# Altium PCB ESP-12F_WLED_IOT_LIPO_PCB_Version_2.PcbDoc (part 1 of 2)
Units mm, origin at the board's own origin, x right, y up, seen from the top; angles counter-clockwise.
Board outline 90 x 44 mm, 2 copper layers (Top Layer, Bottom Layer), stack 0.97 mm thick; 111 components, 79 nets, 330 pads, 196 vias.
Unrouted connection lines stored in the file: 43.
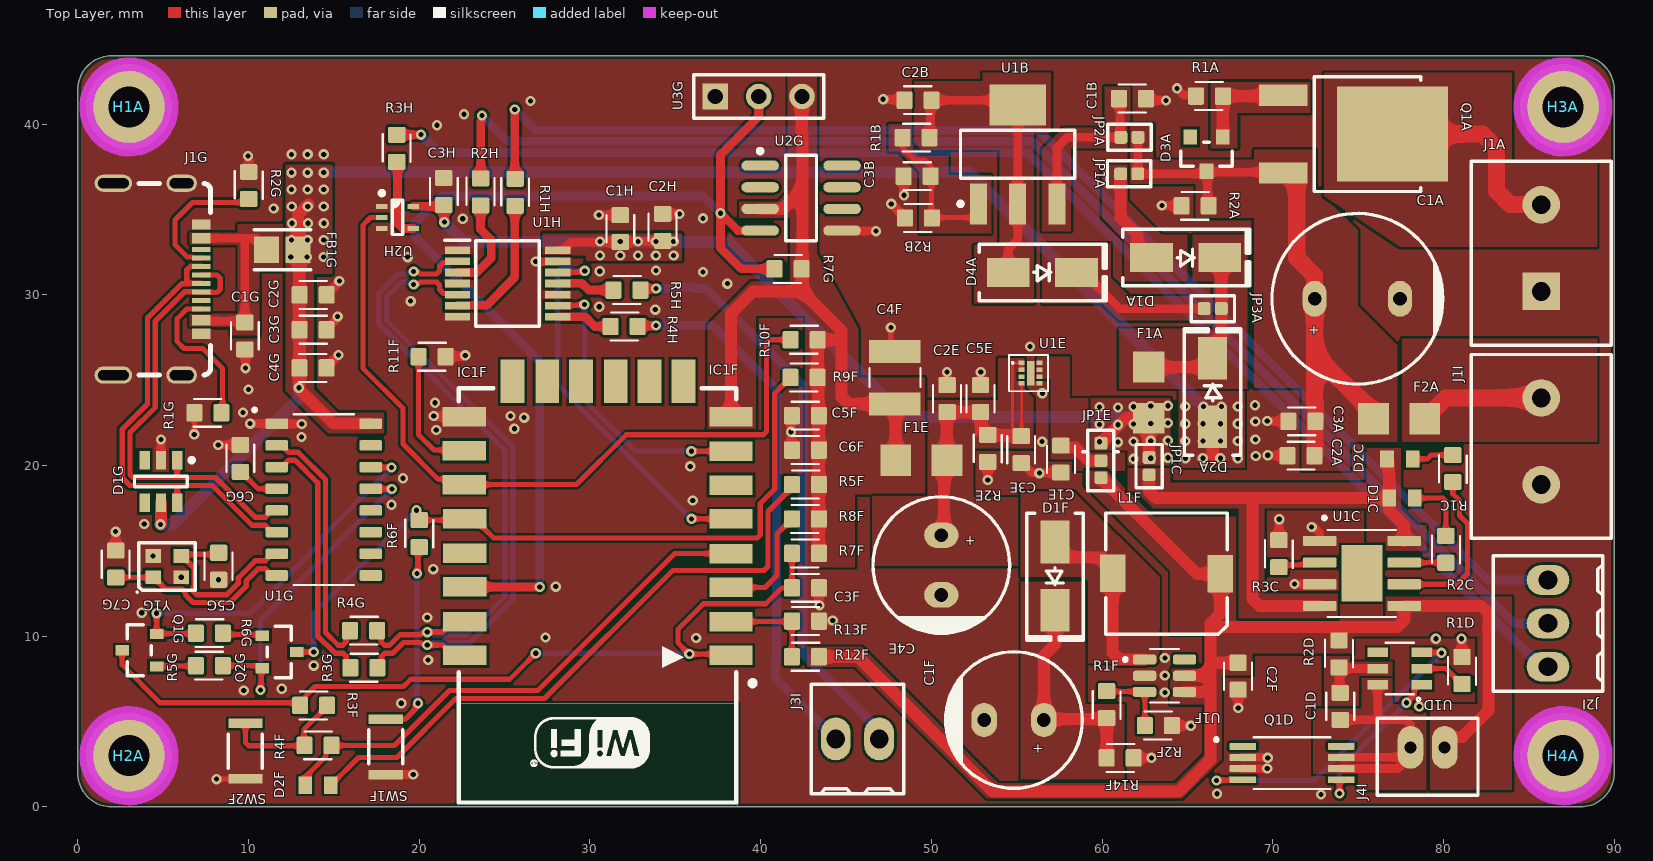
[diagram p0: Top Layer view]
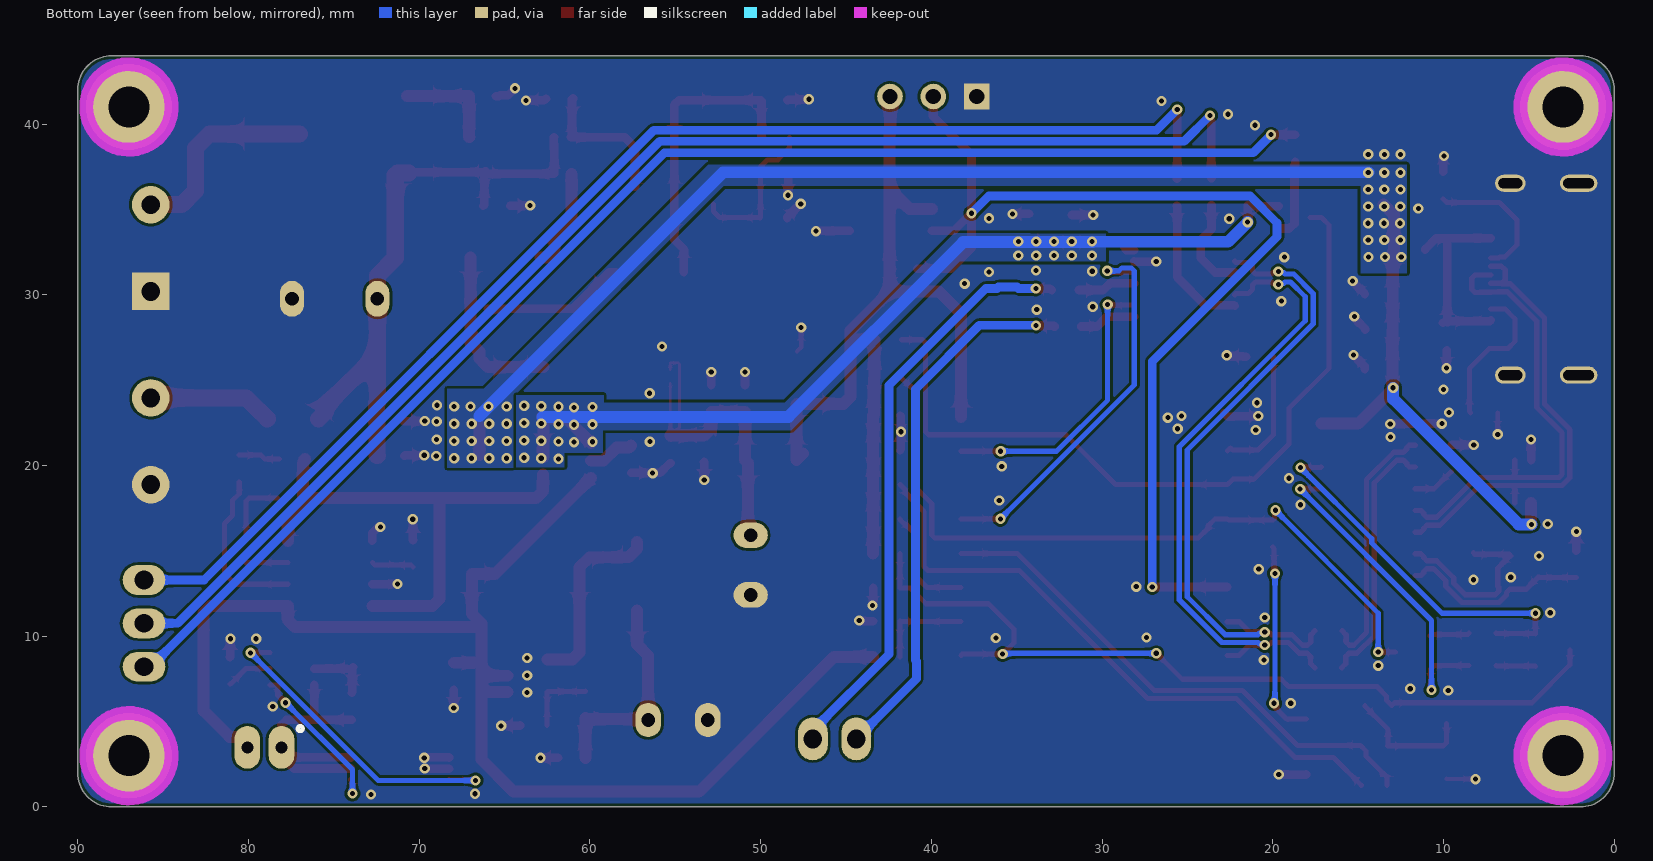
[diagram p1: Bottom Layer view, seen from below]
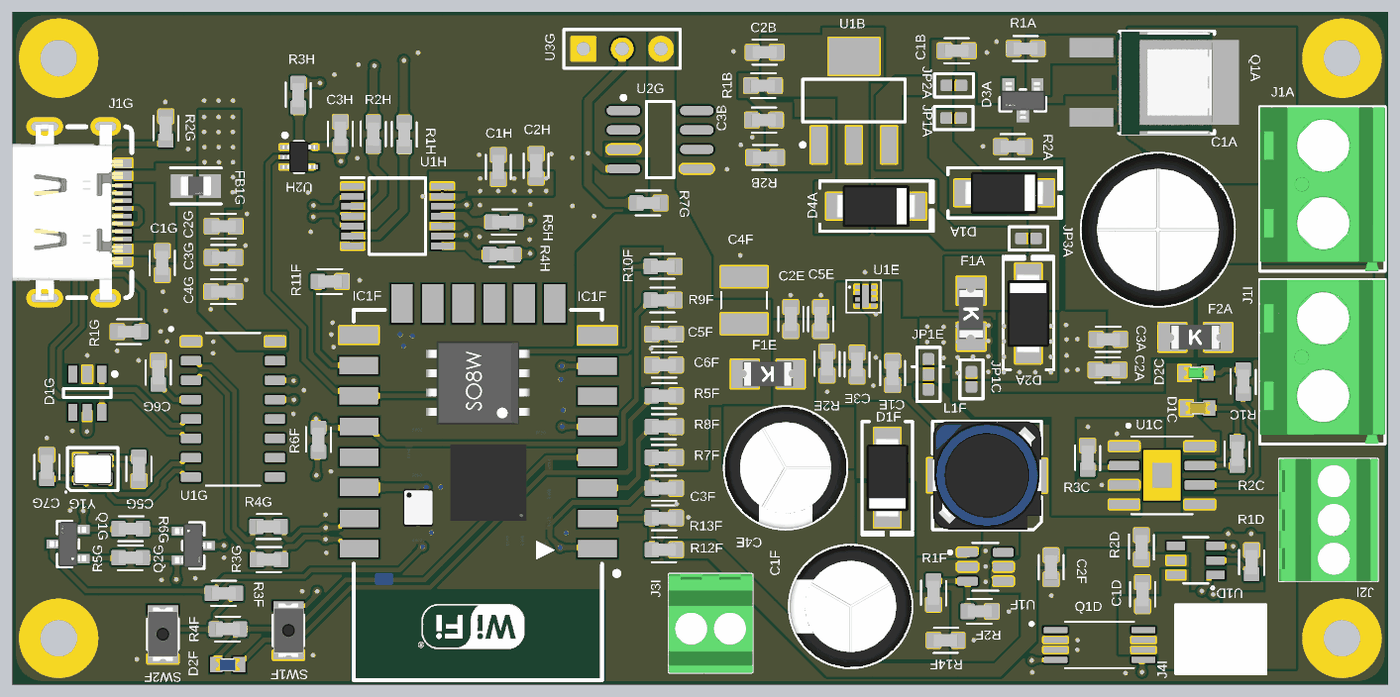
[diagram p3: 3D render of the assembled board from above, using the file's embedded part models]

## Layer stack, top to bottom
Top Solder: solder mask 0.0127, Solder Resist, Dk 3.8
Top Layer: signal copper 0.035
Dielectric: core 0.9, FR-4, Dk 4.5
Bottom Layer: signal copper 0.035
Bottom Solder: solder mask 0.0127, Solder Resist, Dk 3.8

## Board outline
0,2 0,42 cw(c2,42) 2,44 88,44 cw(c88,42) 90,42 90,2 cw(c88,2) 88,0 2,0 cw(c2,2)

## Design rules (kind name [scope] priority, off if disabled: settings)
BoardOutlineClearance [All] p1: gap=0.2 ignorepadtopadclearanceinfootprint=FALSE
Clearance [All] p1: gap=0.15 ignorepadtopadclearanceinfootprint=TRUE except(0.254: Arc-Hole Track-Hole SMDPad-Hole THPad-Hole Via-Hole Fill-Hole Poly-Hole Region-Hole Text-Hole)
ComponentClearance [All] p1: gap=0.127 collisioncheckmode=3 verticalgap=0.127 showdistances=TRUE
DiffPairsRouting [InDifferentialPairClass('All Differential Pairs')] p1: maxlimit=0.15 minlimit=0.15 mostfreqgap=0.15 toplayer_minwidth=0.312 toplayer_maxwidth=0.312 toplayer_prefwidth=0.312 bottomlayer_minwidth=0.312 bottomlayer_maxwidth=0.312 bottomlayer_prefwidth=0.312 impedanceprofiledriven=TRUE impedanceprofileid={3EA1BE5C-D736-4E84-AD8F-9C44774C30EF} impedanceprofilevalue=90.000000 maxuncoupledlength=12.7
Height [All] p1: minheight=0 maxheight=1816.048 prefheight=12.7
HoleSize [All] p1: absolutevalues=TRUE maxlimit=6.3 minlimit=0.3 maxpercent=80.000 minpercent=20.000
HoleToHoleClearance [All] p1: gap=0.25 allowstackedmicrovias=FALSE
MinimumAnnularRing [All] p1: minimumring=0.1
MinimumSolderMaskSliver [All] p1: minsoldermaskwidth=0.2
PlaneClearance [All] p1: clearance=0.254
PlaneConnect PlaneConnectPowerPads [InPadClass('PowerPads')] p1: planeconnectstyle=Direct reliefexpansion=0.508 reliefentries=4 reliefconductorwidth=0.254 reliefairgap=0.254
PlaneConnect [All] p2: planeconnectstyle=Direct reliefexpansion=0.3 reliefentries=4 reliefconductorwidth=0.127 reliefairgap=0.127
PolygonConnect [All] p1: connectstyle=Direct reliefconductorwidth=0.254 reliefentries=4 polygonreliefangle="90 Angle" airgapwidth=0.254
PolygonConnect PolygonConnectPowerPads [All vs (InPadClass('PowerPads'))] p2: connectstyle=Direct reliefconductorwidth=0.254 reliefentries=4 polygonreliefangle="90 Angle" airgapwidth=0.254
PolygonConnect PolygonConnect_Power [InNetClass('HighPower') vs InNetClass('Power')] p3 off: connectstyle=Direct reliefconductorwidth=0.203 reliefentries=4 polygonreliefangle="90 Angle" airgapwidth=0.203
PolygonConnect PolygonConnect_GND [InNetClass('Power') vs InNet('GND')] p4 off: connectstyle=Direct reliefconductorwidth=0.203 reliefentries=4 polygonreliefangle="90 Angle" airgapwidth=0.203
RoomDefinition 1_Power [InComponentClass('1_Power')] p1: confinementstyle=ConfineIn formatcopy=TRUE lockcomponents=FALSE outline 45.075,-0.475 91.55,-0.475 91.55,46.05 45.075,46.05
RoomDefinition 8_LevelShifter [InComponentClass('8_LevelShifter')] p2: confinementstyle=ConfineIn formatcopy=TRUE lockcomponents=FALSE outline 8.45,24.65 36.025,24.65 36.025,47.95 8.45,47.95
RoomDefinition 5_BATT+3V3 [InComponentClass('5_BATT+3V3')] p3: confinementstyle=ConfineIn formatcopy=TRUE lockcomponents=FALSE outline 44.475,9.45 64.25,9.45 64.25,35.05 44.475,35.05
RoomDefinition 6_BATT+5V [InComponentClass('6_BATT+5V')] p4: confinementstyle=ConfineIn formatcopy=TRUE lockcomponents=FALSE outline 84.05,18.3 50.525,18.3 50.525,-1.35 84.05,-1.35
RoomDefinition 4_Protection [InComponentClass('4_Protection')] p5: confinementstyle=ConfineIn formatcopy=TRUE lockcomponents=FALSE outline 89.1,-0.7 89.1,11.125 63.899,11.125 63.899,-0.7
RoomDefinition 3_Charging [InComponentClass('3_Charging')] p6: confinementstyle=ConfineIn formatcopy=TRUE lockcomponents=FALSE outline 61.2,21.375 61.2,10.65 85.825,10.65 85.825,21.375
RoomDefinition 2_LDO+5V [InComponentClass('2_LDO+5V')] p7: confinementstyle=ConfineIn formatcopy=TRUE lockcomponents=FALSE outline 68.8,45.456 44.6,45.456 44.6,12.966 68.8,12.966
RoomDefinition 6_ESP12_F [InComponentClass('6_ESP12_F')] p8: confinementstyle=ConfineIn formatcopy=TRUE lockcomponents=FALSE outline 7.45,-1.2 51.85,-1.2 51.85,32.4 7.45,32.4
RoomDefinition 5_USB-UART [InComponentClass('5_USB-UART')] p9: confinementstyle=ConfineIn formatcopy=TRUE lockcomponents=FALSE outline 31.228,45.325 -0.425,45.325 -0.425,-0.45 31.228,-0.45
RoomDefinition "9_Connectors & IO" [InComponentClass('9_Connectors & IO')] p10: confinementstyle=ConfineIn formatcopy=TRUE lockcomponents=FALSE outline 68.437,-0.85 90.9,-0.85 90.9,27 68.437,27
RoomDefinition 7_Temp [InComponentClass('7_Temp')] p11: confinementstyle=ConfineIn formatcopy=TRUE lockcomponents=FALSE outline 35.675,27.07 47.025,27.07 47.025,46.55 35.675,46.55
RoutingVias [All] p1: holewidth=0.3 width=0.6 viastyle="Through Hole" minholewidth=0.3 minwidth=0.6 maxholewidth=0.6 maxwidth=6.6
SilkToSilkClearance [All] p1: silktosilkclearance=0.1
SilkToSolderMaskClearance [IsPad] p1: minsilkscreentomaskgap=0.15 clearancetoexposedcopper=TRUE
SolderMaskExpansion [All] p1: expansion=0.1 istentingtop=FALSE
SupplyNets "Schematic Supply Nets_20" [InNet('NetD3A_1')] p1: voltage=0.000
SupplyNets "Schematic Supply Nets_19" [InNet('VBUS')] p2: voltage=0.000
SupplyNets "Schematic Supply Nets_18" [InNet('SPX_IN')] p3: voltage=0.000
SupplyNets "Schematic Supply Nets_17" [InNet('VBAT+5V')] p4: voltage=0.000
SupplyNets "Schematic Supply Nets_16" [InNetClass('GND')] p5: voltage=0.000
SupplyNets "Schematic Supply Nets_15" [InNet('LDO+5V')] p6: voltage=0.000
SupplyNets "Schematic Supply Nets_14" [InNet('SW')] p7: voltage=0.000
SupplyNets "Schematic Supply Nets_13" [InNet('LDO-IN+5V')] p8: voltage=0.000
SupplyNets "Schematic Supply Nets_12" [InNet('+3V3')] p9: voltage=0.000
SupplyNets "Schematic Supply Nets_11" [InNet('VCCTP4056')] p10: voltage=0.000
SupplyNets "Schematic Supply Nets_10" [InNet('VCC1')] p11: voltage=0.000
SupplyNets "Schematic Supply Nets_9" [InNetClass('HighPower')] p12: voltage=0.000
SupplyNets "Schematic Supply Nets_8" [InNet('BATT+3V3')] p13: voltage=0.000
SupplyNets "Schematic Supply Nets_7" [InNet('VBAT+')] p14: voltage=0.000
SupplyNets "Schematic Supply Nets_6" [InNet('VBAT-')] p15: voltage=0.000
SupplyNets "Schematic Supply Nets_5" [InNet('VBUS_IN')] p16: voltage=0.000
SupplyNets "Schematic Supply Nets_4" [InNet('NetD1A_2')] p17: voltage=0.000
SupplyNets "Schematic Supply Nets_3" [InNet('NetD4A_2')] p18: voltage=0.000
SupplyNets "Schematic Supply Nets_2" [InNet('VCC')] p19: voltage=0.000
SupplyNets "Schematic Supply Nets" [InNet('GND-ISO')] p20: voltage=0.000
Width Signal [InNetClass('Signal')] p1: maxlimit=1 minlimit=0.15 preferedwidth=0.3
Width Signal_50ohm [InNetClass('Signal_50ohm')] p2: maxlimit=0.509 minlimit=0.15 preferedwidth=0.509 impedanceprofiledriven=TRUE impedanceprofileid={83D77BE7-7D62-4BAC-B122-EBB481B45E3C} impedanceprofilevalue=50.000000 minimp=50.000000 maximp=50.000000 favimp=50.000000
Width GND [InNetClass('GND')] p3: maxlimit=1 minlimit=0.254 preferedwidth=0.3
Width HIghPower [InNetClass('HighPower')] p4: maxlimit=1 minlimit=0.3 preferedwidth=1
Width Power [InNetClass('Power')] p5: maxlimit=0.7 minlimit=0.15 preferedwidth=0.5
20 further rules are at their usual default settings.

## Classes and differential pairs
net class Signal_50ohm: ESP8266_DMA_TTL ESP8266_SPI_CLOCK_TTL ESP8266_SPI_DATA_TTL ESP8266_UART0_TTL ESP8266_UART1_TTL GPIO5 LED_OUT_1 LED_OUT_2_C LED_OUT_2_D LED_OUT_3_C LED_OUT_3_D
component class 6_BATT+5V: C1F C2F D1F L1F R1F R2F R14F U1F
component class 2_LDO+5V: C1B C2B C3B R1B R2B U1B
component class "9_Connectors & IO": J1I J2I J3I J4I J?
component class 8_LevelShifter: C1H C2H C3H R1H R2H R3H R4H R5H U1H U2H
component class 7_Temp: R7G U2G U3G
net class USB_DATA: USB_2.0_N USB_2.0_P
net class UART: RXD_TXD_N RXD_TXD_P TXD_RXD_N TXD_RXD_P
net class CRYSTAL: XI-XO_N XI-XO_P
component class 6_ESP12_F: 222 C3F C4F C5F C6F D2F IC1F R3F R4F R5F R6F R7F R8F R9F R10F R11F R12F R13F SW1F SW2F
net class Signal: ADC Adjust CH CS DTS EN FB GPIO0 GPIO2 GPIO4 GPIO6 GPIO7 GPIO8 GPIO9 GPIO10 GPIO11 GPIO12 GPIO13 GPIO14 GPIO15 GPIO16 NetC6G_2 NetD1C_K NetD2C_K NetJ1G_A5 NetJ1G_B5 NetQ1G_1 NetQ2G_1 NetR3F_1 NetR6F_1 nRST OC OD PROG RTS ST
net class HighPower: LED-OUT LED_OUT SupplyIN SupplyOUT
net class GND: GND
differential pair class DIFF_PAIR: RXD_TXD TXD_RXD USB_2.0 XI-XO
net class Power: +3V3 BATT+3V3 GND-ISO LDO+5V LDO-IN+5V NetD1A_1 NetD1A_2 NetD3A_1 NetD4A_2 SPX_IN SW VBAT+ VBAT+5V VBAT- VBUS VBUS_IN VCC VCC1 VCCTP4056
component class 4_Protection: C1D Q1D R1D R2D U1D
component class 5_USB-UART: C1G C2G C3G C4G C5G C6G C7G D1G FB1G J1G Q1G Q2G R1G R2G R3G R4G R5G R6G U1G Y1G
component class 5_BATT+3V3: C1E C2E C3E C4E C5E F1E JP1E R2E U1E
component class 3_Charging: D1C D2C JP1C R1C R2C R3C U1C
component class 1_Power: C1A C2A C3A D1A D2A D3A D4A F1A F2A H1A H2A H3A H4A J1A JP1A JP2A JP3A Q1A R1A R2A
differential pair XI-XO: +XI-XO_P -XI-XO_N
differential pair USB_2.0: +USB_2.0_P -USB_2.0_N
differential pair TXD_RXD: +TXD_RXD_P -TXD_RXD_N
differential pair RXD_TXD: +RXD_TXD_P -RXD_TXD_N

## Components (designator, comment, footprint, x,y, rotation, side; value= is the part's Value field where it differs from the comment)
C1A "1000µF/16V" "CAP TH ALUM ELEC D10.00mm S5.00mm H17.50mm" 74.949,29.764 r180 top
C1B "10uF" C-0603 61.78,41.488 r180 top
C1D "100nF" C-0603 73.948,5.887 r90 top
C1E "1uF" C-0603 57.587,20.371 r90 top
C1F "1000 µF/10V" "CAP AL TH D8 L3.5 H12.5" 54.839,5.088 r180 top
C1G "10nF" C-0603 9.788,27.585 r90 top
C1H "0.1uF" C-0603 31.78,33.875 r270 top
C2A "0.1uf" C-0603 71.651,20.573 r0 top
C2B "10uF" C-0603 49.216,41.395 r0 top
C2E "10nF" C-0603 50.922,23.915 r270 top
C2F "22uF" C-0603 67.962,7.655 r90 top
C2G "100nf" C-0603 13.792,29.989 r180 top
C2H "10uF" C-0603 34.255,33.95 r270 top
C3A "10uF" C-0603 71.7,22.586 r0 top
C3B "10uF" C-0603 49.166,36.945 r0 top
C3E "1uF" C-0603 55.262,20.933 r90 top
C3F "470pF" C-0603 42.62,12.83 r180 top
C3G "100nF" C-0603 13.788,27.949 r180 top
C3H "0.1uF" C-0603 21.443,36.047 r270 top
C4E "1000 µF/6.3V" "CAP AL TH D8 L3.5 H12.5" 50.582,14.167 r270 top
C4F "100uF" 1411-3528 47.868,25.144 r90 top
C4G "100nF" C-0603 13.774,25.712 r180 top
C5E "100nF" C-0603 52.88,23.913 r270 top
C5F "1uf" C-0603 42.62,22.92 r0 top
C5G "22pF" C-0603 8.249,14.097 r270 top
C6F "0.1uf" C-0603 42.62,20.902 r0 top
C6G "100nF" C-0603 9.526,20.416 r270 top
C7G "22pF" C-0603 2.224,14.226 r90 top
D1A "SS34-HF" "DO214AC SMA" 64.894,32.178 r0 top
D1C "RED" LED_0603_RED 77.566,18.084 r180 top
D1F "SS34-HF" "DO214AC SMA" 57.24,13.516 r270 top
D1G "SRV05-4.TCT" SMTC-SOT23-6_V 4.874,19.062 r270 top
D2A "SS34-HF" "DO214AC SMA" 66.474,24.274 r90 top
D2C "GREEN" LED_0603_GREEN 77.441,20.38 r180 top
D2F "BLUE" LED_0603_BLUE 14.07,1.27 r0 top
D3A "BZX84C12-7-F" FP-SOT23-MFG 66.116,38.238 r270 top
D4A "SS34-HF" "DO214AC SMA" 56.499,31.308 r0 top
F1A "2A" FUSE_1206 62.724,24.263 r270 top
F1E "1A" FUSE_1206 49.411,20.313 r180 top
F2A "10A" FUSE_1206 77.397,22.725 r0 top
FB1G "500mA,100mhz,600ohm" FP-BLM21-0_2-t0_85-e0_5-IPC_A 11.986,32.633 r0 top
H1A "MOUNTING PAD, round" 2,4-PAD 3,41 r0 top
H2A "MOUNTING PAD, round" 2,4-PAD 3,3 r0 top
H3A "MOUNTING PAD, round" 2,4-PAD 87,41 r0 top
H4A "MOUNTING PAD, round" 2,4-PAD 87,3 r0 top
IC1F "ESP8266 ESP-12-F" "ESP8266 ESP-12-F" 38.268,8.872 r180 top
J1A "282837-2" "TE 282837-2"#1 85.725,32.733 r270 top
J1G "USB4510-03-1-A" USB4510-03-1-A 4.087,30.91 r270 top
J1I "282837-2" "TE 282837-2"#2 85.716,21.418 r270 top
J2I "282834-3" "TE 282834-3" 86.118,10.754 r270 top
J3I "282834-2" "TE 282834-2" 45.672,3.982 r180 top
J4I "B2B-PH-K-S(LF)(SN)" "JST B2B-PH-K" 79.066,3.487 r0 top
JP1A "Solder Pad" Solder_Pad_2_Pin_NC_Medium 61.584,37.083 r180 top
JP1C "Solder Pad" Solder_Pad_2_Pin_NC_Medium 62.75,19.96 r270 top
JP1E "Solder Pad" Solder_Pad_3_Pin_NC_Medium 59.932,20.278 r90 top
JP2A "Solder Pad" Solder_Pad_2_Pin_NC_Medium 61.602,39.218 r180 top
JP3A "Solder Pad" Solder_Pad_2_Pin_NC_Medium 66.486,29.19 r0 top
L1F "22µH" "TDK SLF7032" 63.765,13.666 r180 top
Q1A "FDD6637" FP-369AS-MFG 75.546,39.411 r270 top
Q1D "!value" "FS8205A TSSOP-8" 71.128,2.568 r0 top value=FS8205A
Q1G "SS8050-G" FP-SS8050-G-MFG 3.612,9.176 r180 top
Q2G "SS8050-G" FP-SS8050-G-MFG 11.812,9.076 r0 top
R1A "100k" R-0603 66.291,41.636 r180 top value=10K
R1B "82K" R-0603 49.102,39.2 r0 top value=10K
R1C "1K" R-0603 80.542,19.82 r270 top value=10K
R1D "1K" R-0603 81.083,7.988 r270 top value=10K
R1F "7.5K" R-0603 60.265,5.991 r270 top value=10K
R1G "5.1K" R-0603 7.625,23.083 r180 top value=10K
R1H "33R" R-0603 25.62,36 r90 top value=10K
R2A "5k" R-0603 65.451,35.21 r180 top value=10K
R2B "50K" R-0603 49.241,34.495 r180 top value=10K
R2C "1K" R-0603 80.138,15.091 r270 top value=10K
R2D "100R" R-0603 73.877,8.97 r90 top value=10K
R2E "5k" R-0603 53.301,21.001 r270 top value=10K
R2F "1K" R-0603 63.292,4.769 r180 top value=10K
R2G "5.1K" R-0603 10.016,36.402 r90 top value=10K
R2H "33R" R-0603 23.595,36.025 r90 top value=10K
R3C "1.2K" R-0603 70.353,14.833 r270 top value=10K
R3F "0" R-0603 13.82,5.945 r180 top value=10K
R3G "470R" R-0603 16.759,8.15 r0 top value=10K
R3H "33R" R-0603 18.683,38.578 r90 top value=10K
R4F "470" R-0603 14.08,3.605 r180 top value=10K
R4G "470R" R-0603 16.741,10.325 r0 top value=10K
R4H "33R" R-0603 32.003,28.142 r0 top value=10K
R5F "470" R-0603 42.62,18.884 r0 top value=10K
R5G "12K" R-0603 7.712,8.276 r180 top value=10K
R5H "33R" R-0603 32.164,30.274 r0 top value=10K
R6F "470R" R-0603 20.005,16.005 r90 top value=10K
R6G "12K" R-0603 7.712,10.176 r0 top value=10K
R7F "12K" R-0603 42.62,14.848 r180 top value=10K
R7G "4.7k" R-0603 41.604,31.513 r180 top value=10K
R8F "12K" R-0603 42.62,16.866 r180 top value=10K
R9F "12K" R-0603 42.545,25.155 r180 top value=10K
R10F "12K" R-0603 42.545,27.362 r180 top value=10K
R11F "12K" R-0603 20.755,26.37 r180 top value=10K
R12F "220K" R-0603 42.62,8.795 r0 top value=10K
R13F "100K" R-0603 42.62,10.888 r0 top value=10K
R14F "5k" R-0603 61.059,2.868 r0 top value=10K
SW1F "EVP-AWED4A" "PANASONIC EVPAW" 18.045,3.52 r270 top
SW2F "EVP-AWED4A" "PANASONIC EVPAW" 9.82,3.27 r90 top
U1B "AMS1117MP-ADJ" MP04A_N 55.056,38.223 r90 top
U1C "TP4056" TP4056 75.215,13.677 r0 top
U1D "DW01A" SOT23-6 77.434,8.102 r90 top
U1E "NCP186BMX330TAG" NCP186AMX330TAG 55.563,25.406 r270 top
U1F "MT3608" MT3608-SOT23 63.66,7.684 r0 top
U1G "CH340G" SOIC127P600X180-16N 14.412,18.001 r0 top
U1H "74VHCT125PW,118" SOP65P640X110-14N 25.175,30.655 r0 top
U2G "DS18B20Z" MAXM-S8-2_N 42.371,35.662 r0 top
U2H "NC7SZ125P5X" "ON SEMI SC70-5  419AC-01" 18.732,34.528 r0 top
U3G "Header 3" HDR1X3 37.346,41.612 r0 top
Y1G "12MHz" "ABRACON ABM10" 5.238,14.074 r0 top

## Footprints (in the part's own frame and the unit in brackets; to place one, negate y for a bottom-side part, rotate by r counter-clockwise, add the part's x,y. Pads: shape width x height; smd on the part's side, far side on the other; paste and mask are expansions set on the pad)
2,4-PAD [mm]
  round 5 hole 2.4: 1(0,0)
  Top Layer keep-out circle w0.813: c0,0 r2.5
  Top Layer keep-out circle w0.813: c0,0 r2.5
  Bottom Layer keep-out circle w0.813: c0,0 r2.5
1411-3528 [mm]
  rect 1.34x3.02 smd: 1(-1.54,0) 2(1.54,0)
  silkscreen extent -0.55,-1.5 0.55,1.5
"ABRACON ABM10" [mm] "Crystal, 4-Leads, Body 2.00x2.45mm, Pitch 1.65mm, IPC Medium Density"
  rect 0.9x0.8 smd: 1(-0.825,-0.625) 2(0.825,-0.625) 3(0.825,0.625) 4(-0.825,0.625)
  silkscreen extent -1.81,-1.54 1.64,1.41, body extent -1.27,-1.02 1.28,1.03, height 0.5
C-0603 [mm]
  rrect20% 0.94x1.02 smd mask+0.05: 1(-0.79,0) 2(0.79,0)
  silkscreen extent -0.8,-0.82 0.8,0.82, body extent -0.8,-0.4 0.8,0.4, height 0.23
"CAP AL TH D8 L3.5 H12.5" [mm] "8MM Diameter, 3.5MM Lead Spacing Aluminium Capacitor"
  oval 1.5x2 hole 0.8: 1(-1.75,0) 2(1.75,0)
  silkscreen extent -4,-4 4,4, body extent -4,-4 4,4, height 11.5
"CAP TH ALUM ELEC D10.00mm S5.00mm H17.50mm" [mm] "10mm Diameter 5mm Lead Spacing Aluminum Electrolytic Capacitors Radial, Can"
  oval 1.4x2.1 hole 0.8: 1(2.5,0) 2(-2.5,0)
  silkscreen extent -5,-5 5,5, body extent -5.01,-5 5,5, height 17.5
"DO214AC SMA" [mm] "Molded Diode, 2-Leads, Body 4.30x2.60mm, IPC Medium Density"
  rect 2.5x1.7 smd: 1(-2,0) 2(2,0)
  silkscreen extent -3.68,-1.65 3.75,1.65, body extent -2.6,-1.37 2.6,1.37, height 2.4
"ESP8266 ESP-12-F" [mil] "ESP8266 ESP-12-F"
  rect 100x45 smd: 1(0,0) 2(0,-78) 3(0,-157) 4(0,-235) 5(0,-315) 6(0,-393) 7(0,-471) 8(0,-550) 15(615,-551) 16(615,-472) 17(615,-394) 18(614,-315) 19(614,-236) 20(614,-158) 21(614,-78) 22(614,0)
  rect 55x100 smd: 9(110,-632) 10(188,-632) 11(266,-632) 12(346,-632) 13(424,-632) 14(504,-632)
  silkscreen extent -56,-616 628,339, body extent -7,-610 623,334, height 1
FP-369AS-MFG [mm]
  rect 1.25x2.85 smd paste+0 mask+0: 1(-2.28,-4.938) 3(2.28,-4.938)
  rect 5.55x6.5 smd paste+0 mask+0: 4(0,1.462)
  silkscreen extent -3.36,-3.11 3.36,3.11, body extent -3.46,-6.46 3.46,4.81, height 0.25
FP-BLM21-0_2-t0_85-e0_5-IPC_A [mm]
  rect 1.455x1.556 smd paste+0 mask+0: 1(-0.926,0) 2(0.926,0)
  silkscreen extent -1.65,-1.18 1.65,1.18, body extent -2.15,-1.28 2.15,1.28, height 0.25
FP-SOT23-MFG [mm]
  rect 0.9x0.8 smd paste+0 mask+0: 1(-1,0.95) 2(-1,-0.95) 3(1,0)
  silkscreen extent -0.7,-1.5 0.7,1.5, body extent -1.55,-1.6 1.55,1.6, height 0.25
FP-SS8050-G-MFG [mm]
  rect 0.8x0.6 smd paste+0 mask+0: 1(-1.01,0.95) 2(-1.01,-0.95) 3(1.01,0)
  silkscreen extent -0.7,-1.5 0.7,1.5, body extent -1.51,-1.6 1.51,1.6, height 0.25
"FS8205A TSSOP-8" [mm]
  rrect25% 1.56x0.4 smd: 1(-2.88,0.975) 2(-2.88,0.325) 3(-2.88,-0.325) 4(-2.88,-0.975) 5(2.88,-0.975) 6(2.88,-0.325) 7(2.88,0.325) 8(2.88,0.975)
  silkscreen extent -4.54,-1.52 2.25,1.52
FUSE_1206 [mm]
  rect 1.8x1.84 smd: 1(-1.5,0) 2(1.5,0)
  body extent -1.65,-0.82 1.65,0.81, height 0.84
HDR1X3 [mm] "Connector; Header; 3 Position"
  rect 1.5x1.5 hole 0.9: 1(0,0)
  round 1.5 hole 0.9: 2(2.54,0) 3(5.08,0)
  silkscreen extent -1.27,-1.27 6.35,1.27
"JST B2B-PH-K" [mm]
  oval 1.5x2.5 hole 0.7: 1(-1,0) 2(1,0)
  silkscreen extent -2.95,-2.8 2.95,1.7, body extent -2.95,-2.8 2.95,1.7, height 6
LED_0603_BLUE [mm]
  rect 0.8x1 smd: A(0.75,0) K(-0.75,0)
  body extent -0.8,-0.4 0.8,0.4, height 0.6
LED_0603_GREEN [mm]
  rect 0.8x1 smd: A(0.75,0) K(-0.75,0)
  body extent -0.8,-0.4 0.8,0.4, height 0.6
LED_0603_RED [mm]
  rect 0.8x1 smd: A(0.75,0) K(-0.75,0)
  body extent -0.8,-0.4 0.8,0.4, height 0.6
MAXM-S8-2_N [mm] "SOIC, 8-Leads, Body 4.90x3.90mm, Pitch 1.27mm, IPC Medium Density"